# Altium PCB LM-003.PcbDoc
Units mm, origin at the board's own origin, x right, y up, seen from the top; angles counter-clockwise.
Board outline 65.02 x 194.14 mm, 6 copper layers (Top Layer, +5V, +3.3V, Mid-Layer 1, Mid-Layer 2, Bottom Layer), stack 1.23 mm thick; 61 components, 117 nets, 372 pads, 6 vias.
Unrouted connection lines stored in the file: 140.
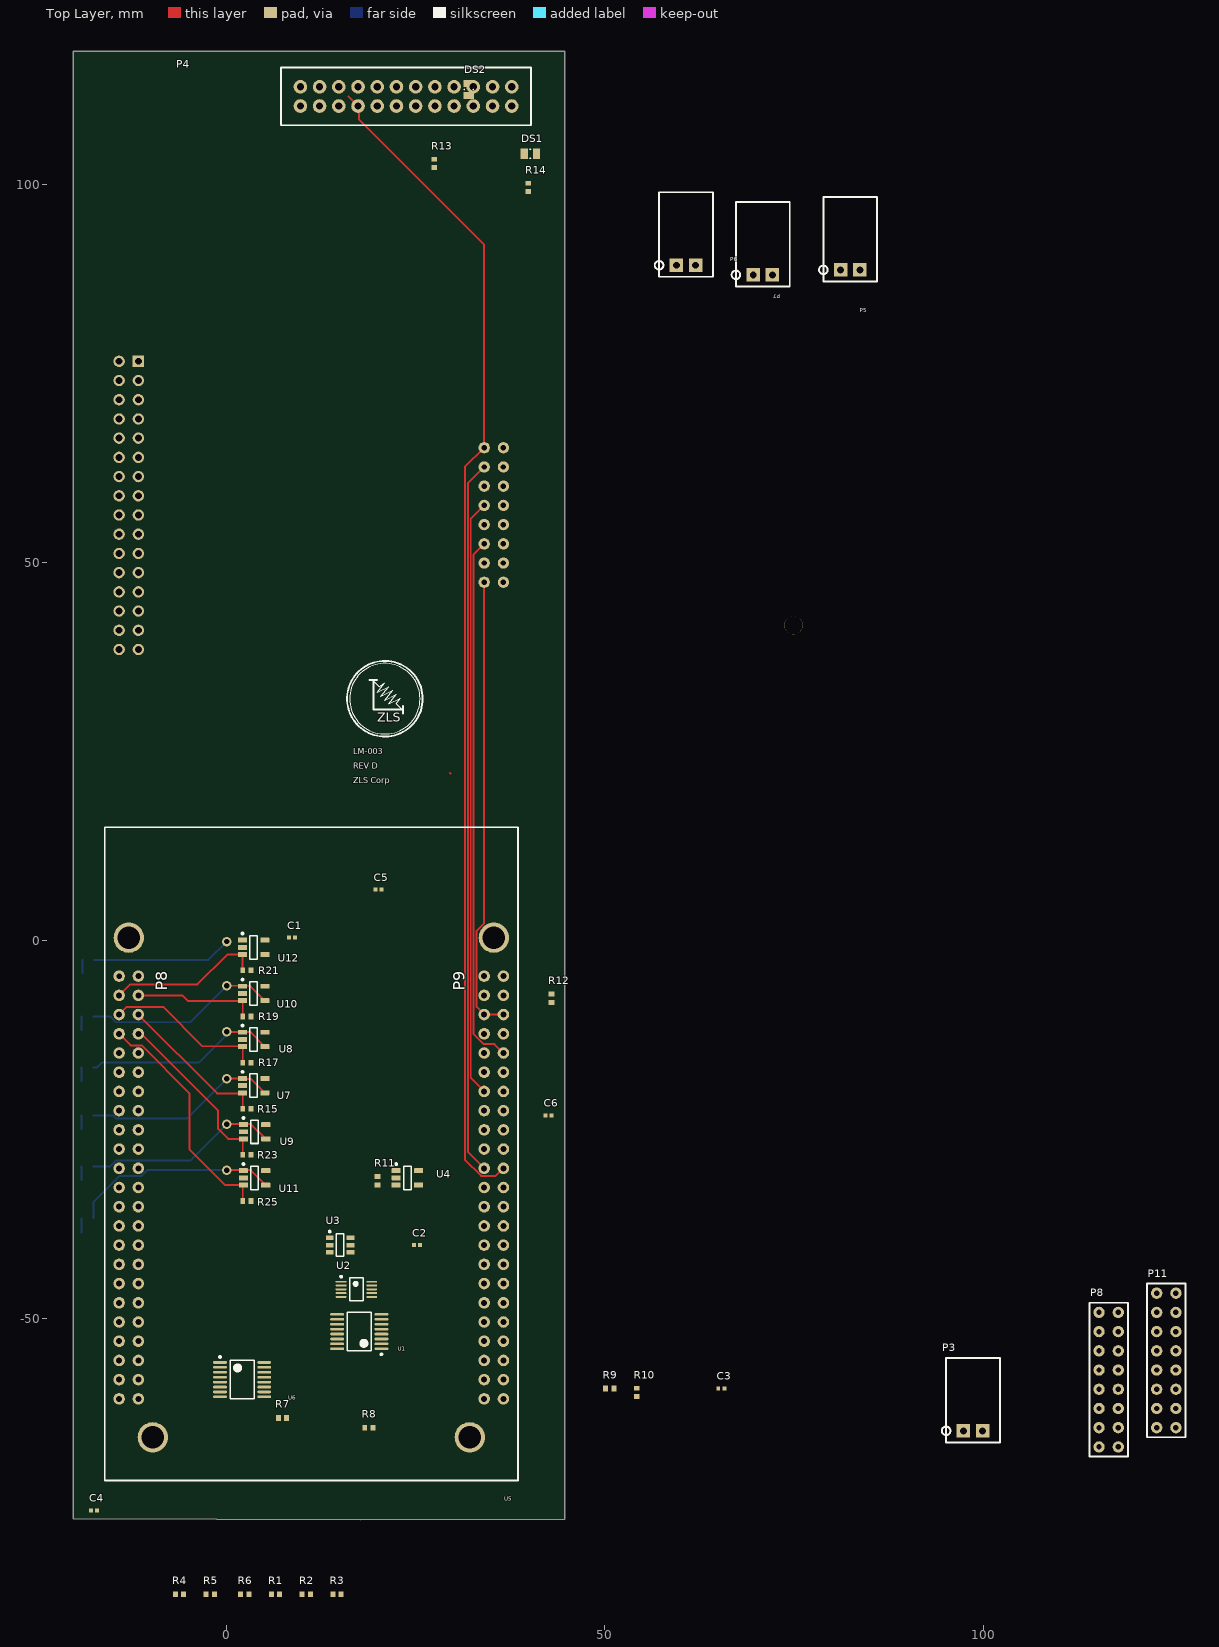
[diagram p0: Top Layer view]
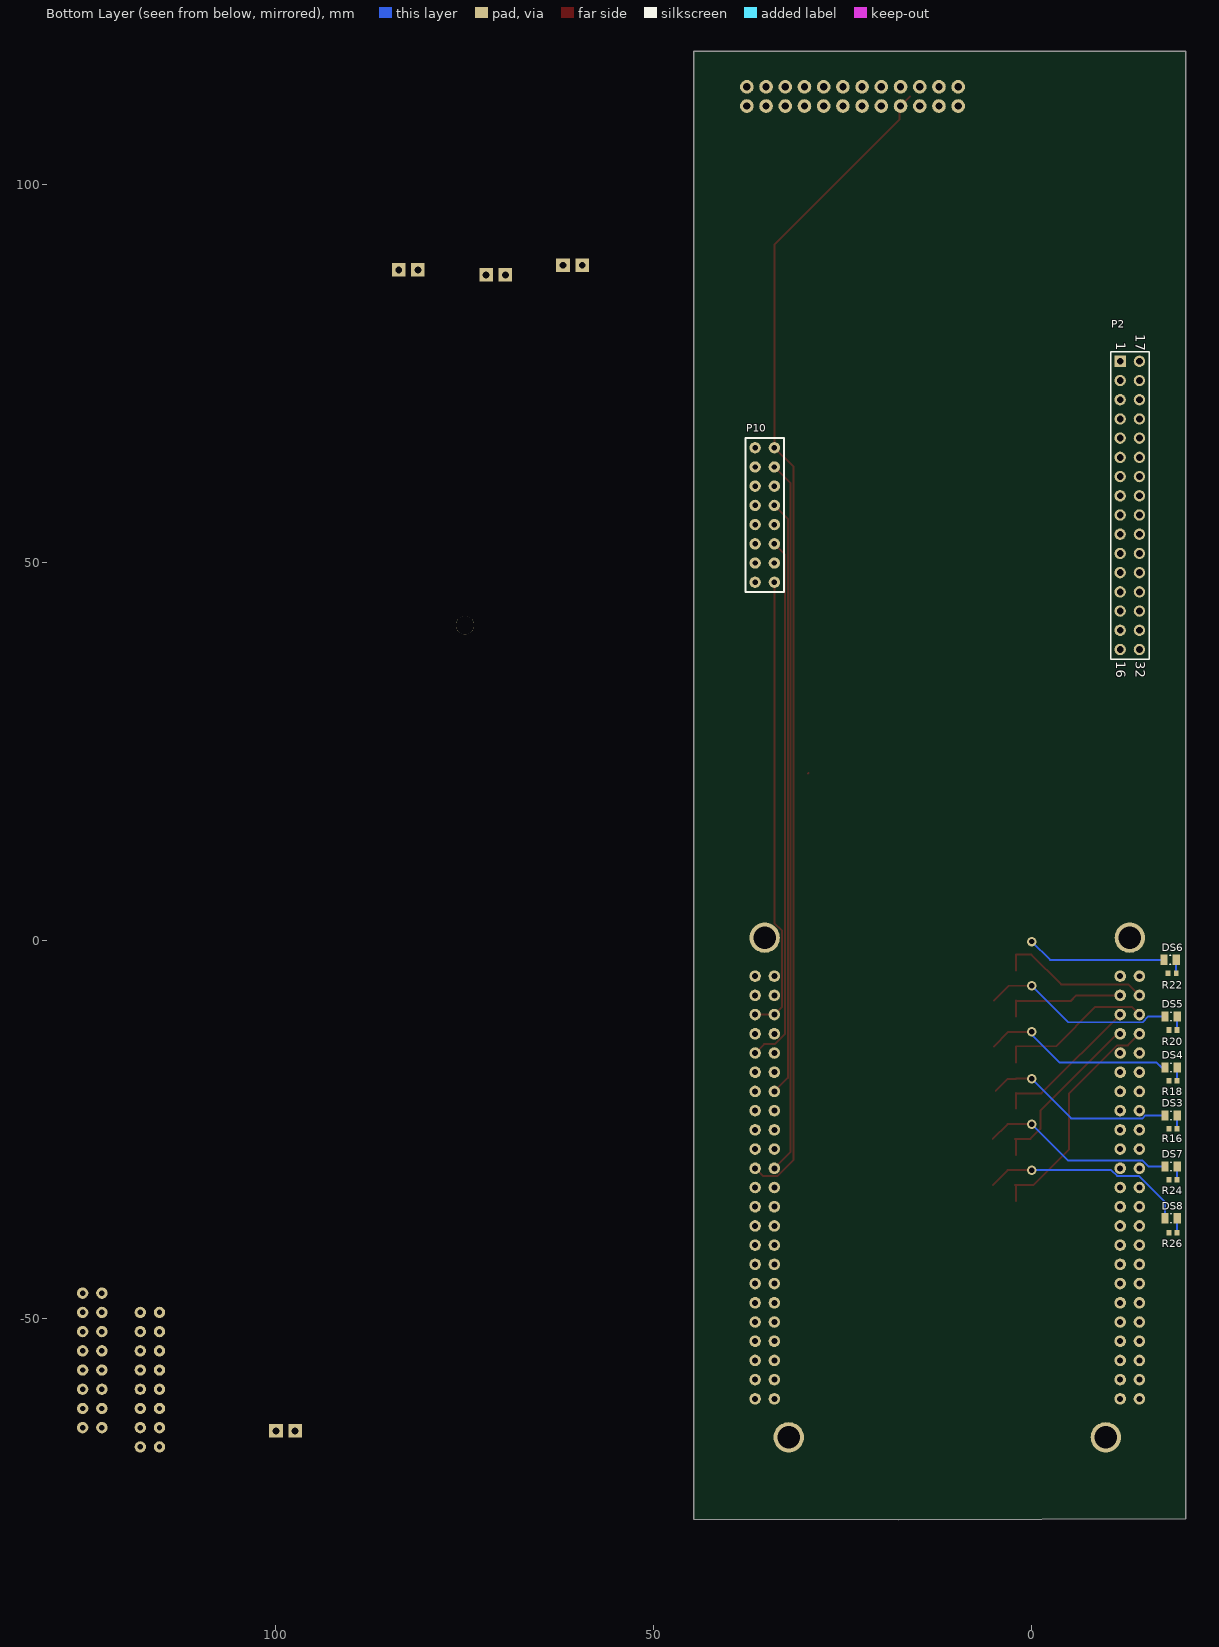
[diagram p1: Bottom Layer view, seen from below]
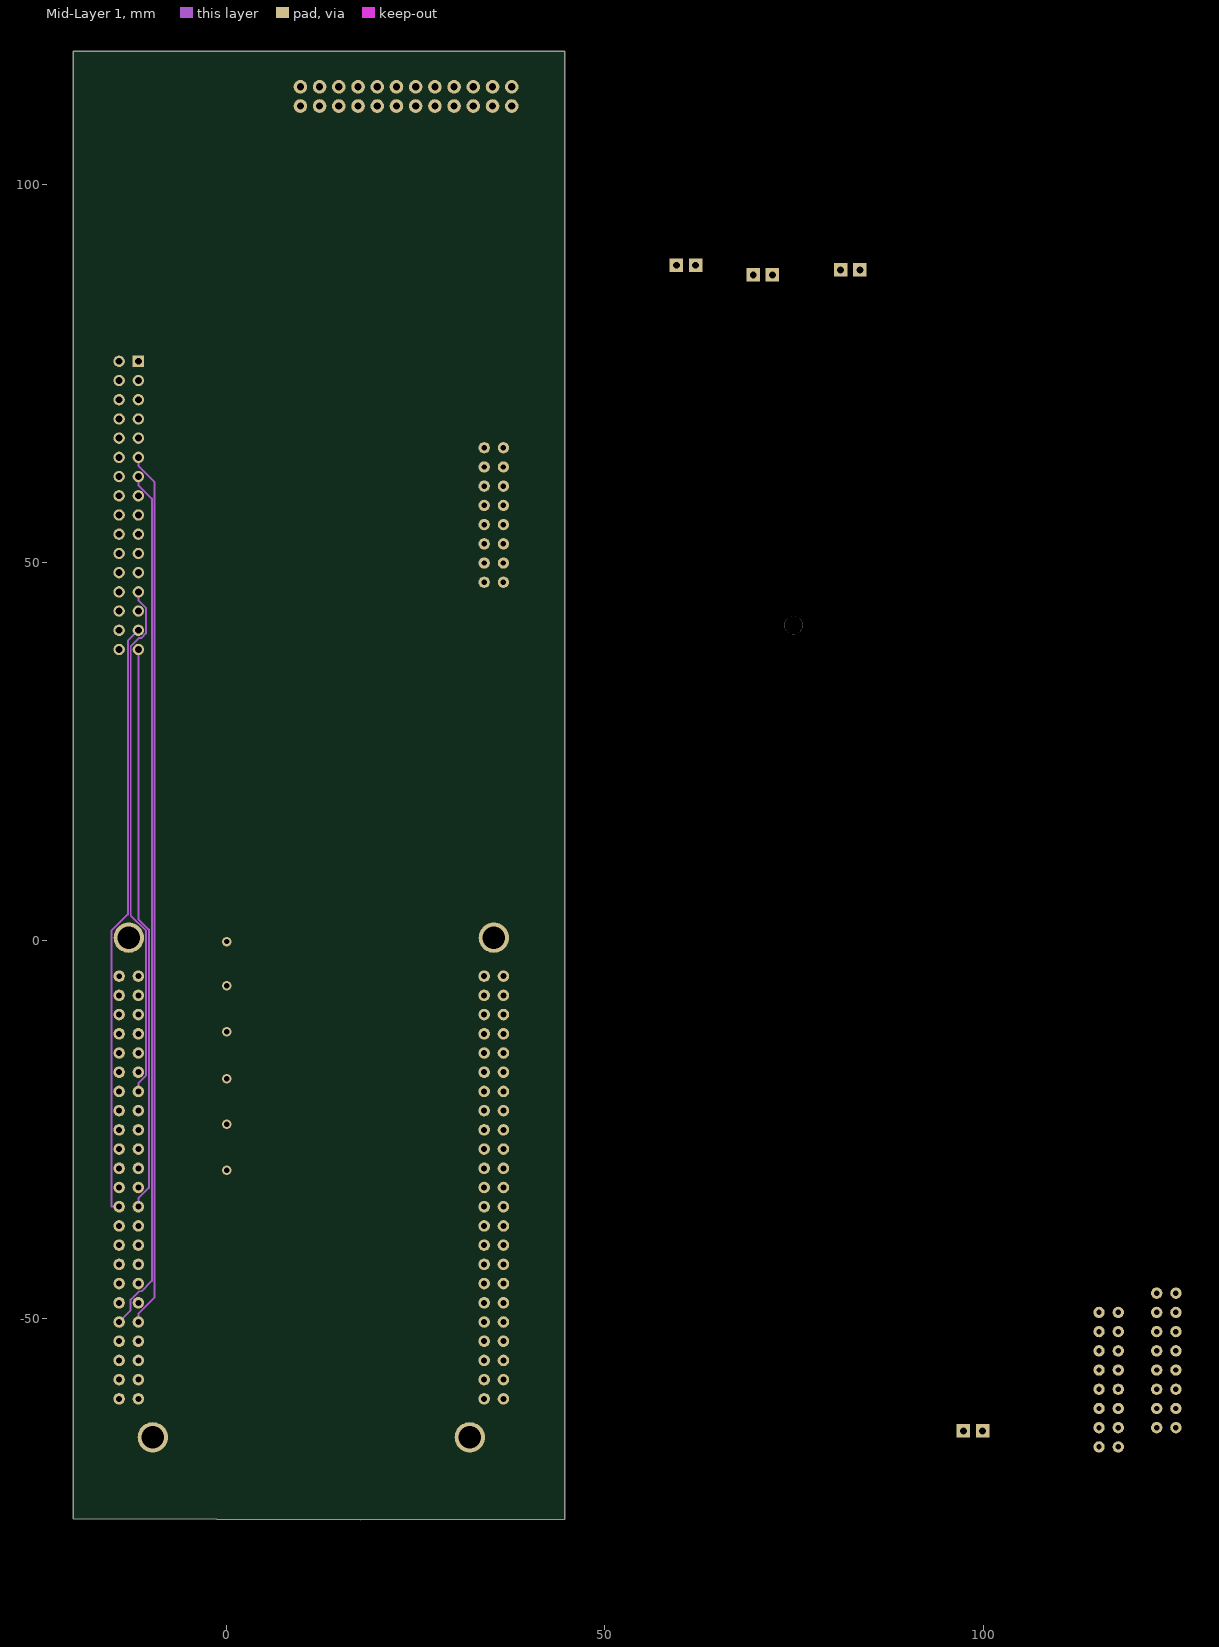
[diagram p2: Mid-Layer 1]
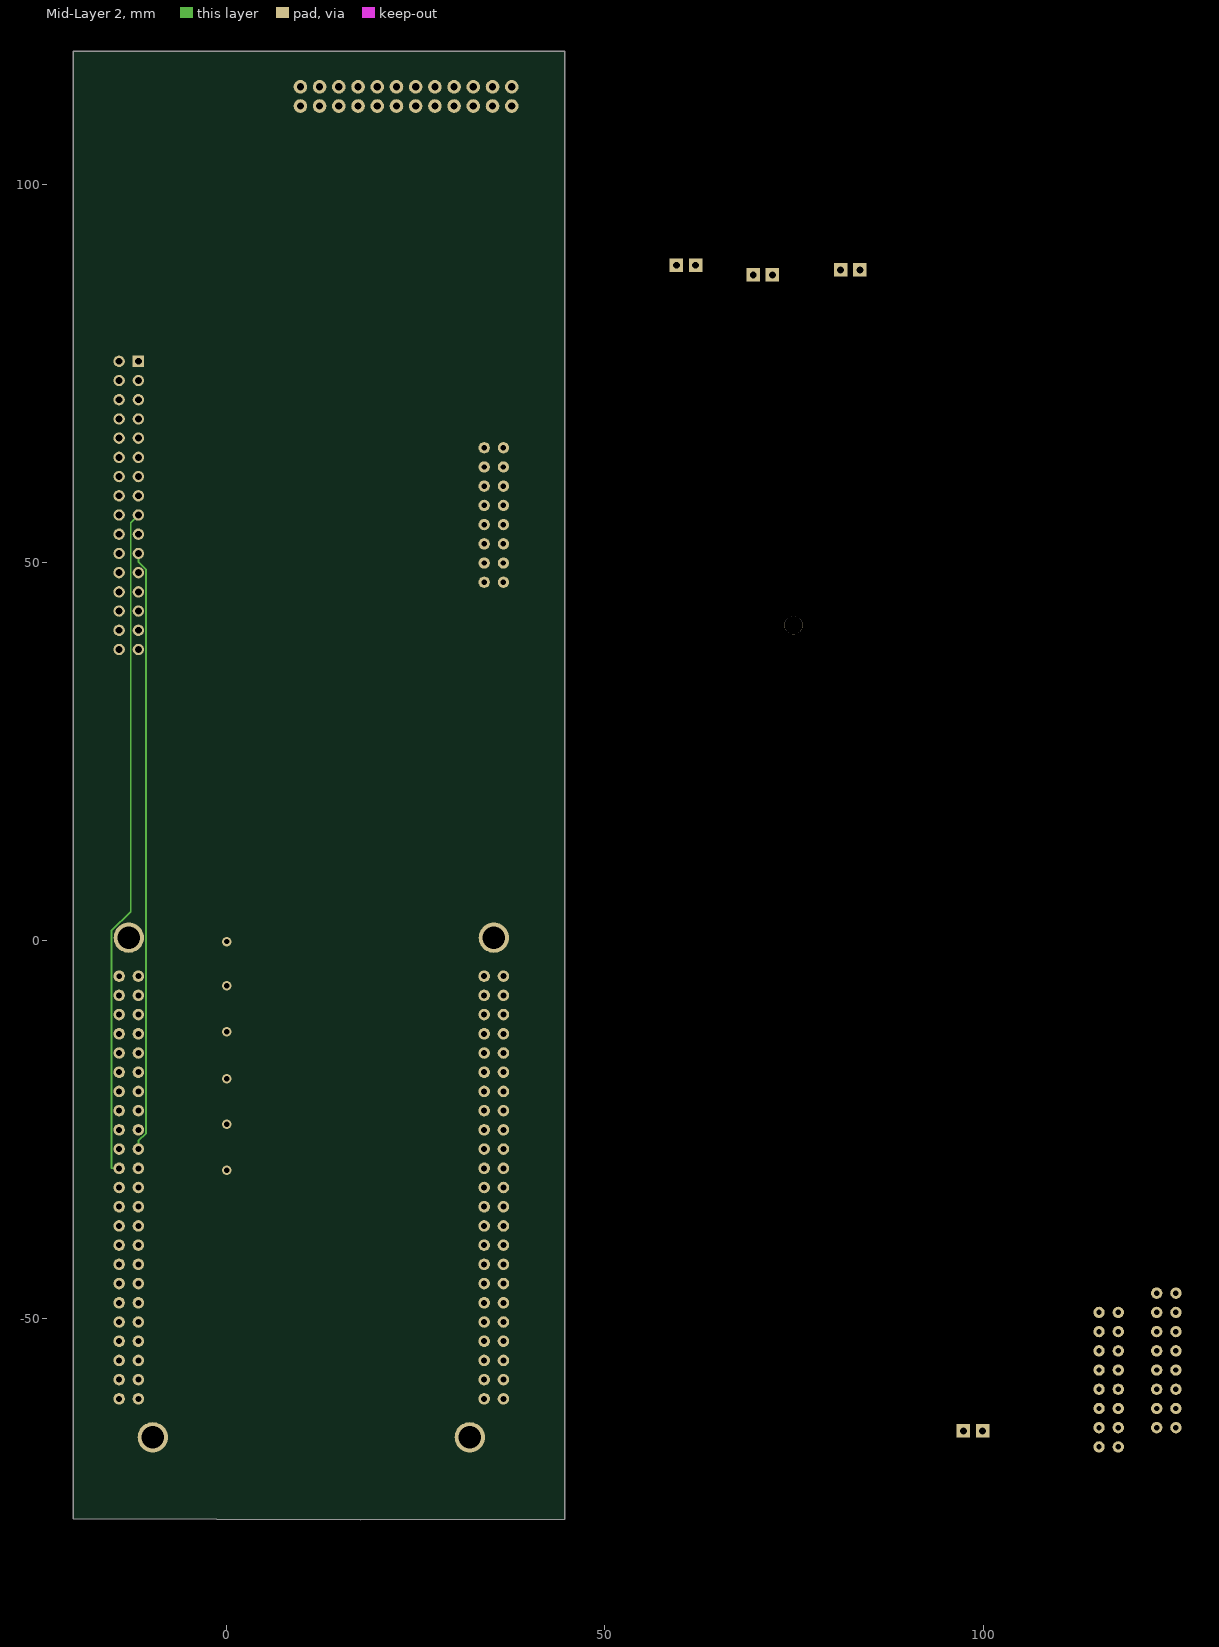
[diagram p3: Mid-Layer 2]

## Layer stack, top to bottom
Top Solder: solder mask 0.0102, Solder Resist, Dk 3.5
Top Layer: signal copper 0.0356
Dielectric 1: core 0.254, FR-4, Dk 4.2
+5V: signal copper 0.036
Dielectric 6: prepreg 0.127, Dk 4.2
+3.3V: signal copper 0.036
Dielectric 4: core 0.254, Dk 4.2
Mid-Layer 1: signal copper 0.0356
Dielectric2: prepreg 0.127, FR-4, Dk 4.2
Mid-Layer 2: signal copper 0.0356
Dielectric 5: core 0.254, Dk 4.2
Bottom Layer: signal copper 0.0356
Bottom Solder: solder mask 0.0102, Solder Resist, Dk 3.5

## Board outline
44.704,33.577 44.704,-76.52 17.68,-76.544 -20.32,-76.432 -20.32,117.597 44.704,117.597

## Design rules (kind name [scope] priority, off if disabled: settings)
Clearance [All] p1: gap=0.127 ignorepadtopadclearanceinfootprint=FALSE except(0: Arc-Hole Track-Hole SMDPad-Hole THPad-Hole Via-Hole Fill-Hole Poly-Hole Region-Hole Text-Hole)
ComponentClearance [All] p1: gap=0.229 collisioncheckmode=3 verticalgap=0.254 showdistances=FALSE
HoleSize [All] p1: absolutevalues=TRUE maxlimit=5 minlimit=0.127 maxpercent=80.000 minpercent=20.000
MinimumAnnularRing [All] p1: minimumring=0.254
MinimumSolderMaskSliver [All] p1: minsoldermaskwidth=0.051
PolygonConnect [All] p1: connectstyle=Relief reliefconductorwidth=0.254 reliefentries=4 polygonreliefangle="90 Angle" airgapwidth=0.254
RoutingVias [All] p1: holewidth=0.3 width=0.7 viastyle="Through Hole" minholewidth=0.1 minwidth=0.381 maxholewidth=0.711 maxwidth=1.27
SilkToSilkClearance [All] p1: silktosilkclearance=0.1
SilkToSolderMaskClearance [IsPad] p1: minsilkscreentomaskgap=0.064 clearancetoexposedcopper=TRUE
SolderMaskExpansion [All] p1: expansion=0.051
Width [All] p1: maxlimit=1 minlimit=0.127 preferedwidth=0.254
25 further rules are at their usual default settings.

## Classes and differential pairs
component class Power: C1 C2 C3 C4 C5 C6 DS1 DS2 R1 R2 R3 R4 R5 R6 R7 R8 R9 R10 R11 R12 R13 R14 U1 U2 U3 U4
component class Connectors: P2 P3 P5 P6 P7 P8 P10 P11 P?
component class heater_control: DS3 DS4 DS5 DS6 DS7 DS8 P4 R15 R16 R17 R18 R19 R20 R21 R22 R23 R24 R25 R26 U7 U8 U9 U10 U11 U12
component class "BBB Headers": U5 U6

## Components (designator, comment, footprint, x,y, rotation, side; value= is the part's Value field where it differs from the comment)
C1 "0.1uF" CAPC0402(1005)60_L 8.636,0.381 r0 top
C2 "0.1uF" CAPC0402(1005)60_L 25.146,-40.259 r0 top
C3 "0.1uF" CAPC0402(1005)60_L 65.377,-59.216 r0 top
C4 "0.1uF" CAPC0402(1005)60_L -17.526,-75.311 r0 top
C5 "0.1uF" CAPC0402(1005)60_L 20.066,6.731 r0 top
C6 "0.1uF" CAPC0402(1005)60_L 42.545,-23.114 r0 top
DS1 "Lite-On LTST-S220KGKT Green LED, 571 nm 2012 (0805) Side View, Rectangle Lens SMD package" 0805C_L 40.132,104.013 r0 top
DS2 "Lite-On LTST-S220KGKT Green LED, 571 nm 2012 (0805) Side View, Rectangle Lens SMD package" 0805C_L 32.004,112.522 r90 top
DS3 "Visible Name Value Type    False Description Lite-On LTST-S220KRKT Red LED, 631 nm 2012 (0805) Side View, Rectangle Lens SMD package STRING" 0805C_L -18.415,-23.114 r180 bottom
DS4 "Visible Name Value Type    False Description Lite-On LTST-S220KRKT Red LED, 631 nm 2012 (0805) Side View, Rectangle Lens SMD package STRING" 0805C_L -18.415,-16.764 r180 bottom
DS5 "Visible Name Value Type    False Description Lite-On LTST-S220KRKT Red LED, 631 nm 2012 (0805) Side View, Rectangle Lens SMD package STRING" 0805C_L -18.415,-10.033 r180 bottom
DS6 "Visible Name Value Type    False Description Lite-On LTST-S220KRKT Red LED, 631 nm 2012 (0805) Side View, Rectangle Lens SMD package STRING" 0805C_L -18.288,-2.54 r180 bottom
DS7 "Visible Name Value Type    False Description Lite-On LTST-S220KRKT Red LED, 631 nm 2012 (0805) Side View, Rectangle Lens SMD package STRING" 0805C_L -18.415,-29.845 r180 bottom
DS8 "Visible Name Value Type    False Description Lite-On LTST-S220KRKT Red LED, 631 nm 2012 (0805) Side View, Rectangle Lens SMD package STRING" 0805C_L -18.415,-36.703 r180 bottom
P2 "Header 16X2A" HDR2X16_CEN -11.684,76.581 r270 bottom
P3 "IPL1-102-01-F-S-RA-K" IPL1-102-01-F-S-RA-K 97.381,-64.804 r0 top
P4 "IPL1-112-01-F-S-K" IPL1-112-01-F-S-K 23.704,111.597 r180 top
P5 "IPL1-102-01-F-S-RA-K" IPL1-102-01-F-S-RA-K 81.151,88.671 r0 top
P6 "IPL1-102-01-F-S-RA-K" IPL1-102-01-F-S-RA-K 59.436,89.281 r0 top
P7 "IPL1-102-01-F-S-RA-K" IPL1-102-01-F-S-RA-K 69.596,88.011 r0 top
P8 "SLW-108-01-G-D" SLW-108-01-G-D 117.856,-66.929 r90 top
P10 "SLW-108-01-G-D" SLW-108-01-G-D 36.576,65.151 r270 bottom
P11 "SLW-108-01-G-D" SLW-108-01-G-D 125.476,-64.389 r90 top
R1 "10k" RESC0402(1005)_M 6.449,-86.394 r0 top
R2 "100k" RESC0402(1005)_M 10.513,-86.394 r0 top
R3 "100k" RESC0402(1005)_M 14.577,-86.394 r0 top
R4 "1.5k" RESC0402(1005)_M -6.251,-86.394 r0 top
R5 "10k" RESC0402(1005)_M -2.187,-86.394 r0 top
R6 "10k" RESC0402(1005)_M 2.385,-86.394 r0 top
R7 "20k" RESC0402(1005)_M 7.366,-63.119 r0 top
R8 "20k" RESC0402(1005)_M 18.796,-64.389 r0 top
R9 "10k" RESC0402(1005)_M 50.645,-59.216 r0 top
R10 "10k" RESC0402(1005)_M 54.201,-59.724 r90 top
R11 "10k" RESC0402(1005)_M 19.939,-31.75 r90 top
R12 "10k" RESC0402(1005)_M 42.926,-7.62 r90 top
R13 "4.99k" RESC0402(1005)_M 27.432,102.743 r90 top
R14 "10k" RESC0402(1005)_M 39.878,99.568 r90 top
R15 "20k" RESC0402(1005)_M 2.667,-22.225 r0 top
R16 "4.99k" RESC0402(1005)_M -18.669,-24.892 r0 bottom
R17 "20k" RESC0402(1005)_M 2.667,-16.129 r0 top
R18 "4.99k" RESC0402(1005)_M -18.669,-18.542 r0 bottom
R19 "20k" RESC0402(1005)_M 2.667,-10.033 r0 top
R20 "4.99k" RESC0402(1005)_M -18.669,-11.811 r0 bottom
R21 "20k" RESC0402(1005)_M 2.667,-3.937 r0 top
R22 "4.99k" RESC0402(1005)_M -18.542,-4.318 r0 bottom
R23 "20k" RESC0402(1005)_M 2.667,-28.321 r0 top
R24 "4.99k" RESC0402(1005)_M -18.669,-31.623 r0 bottom
R25 "20k" RESC0402(1005)_M 2.667,-34.417 r0 top
R26 "4.99k" RESC0402(1005)_M -18.669,-38.608 r0 bottom
U1 "ADG1608BRUZ" ADI-RU-16_M 17.526,-51.689 r180 top
U2 "MAX11100EUB+T" U10+2_L 17.145,-46.101 r0 top
U3 "MAX6070AAUT41+T" SOT95P280X445-6N 14.986,-40.259 r0 top
U4 "OPA188AIDBVR" DBV0005A_M 23.876,-31.369 r0 top
U5 "BBB" "BEAGLEBONE BLACK" 11.176,-32.639 r0 top
U6 "ADG1608BRUZ" ADI-RU-16_M 2.032,-58.039 r0 top
U7 "OPA188AIDBVR" DBV0005A_M 3.556,-19.177 r0 top
U8 "OPA188AIDBVR" DBV0005A_M 3.556,-13.064 r0 top
U9 "OPA188AIDBVR" DBV0005A_M 3.683,-25.273 r0 top
U10 "OPA188AIDBVR" DBV0005A_M 3.556,-6.985 r0 top
U11 "OPA188AIDBVR" DBV0005A_M 3.683,-31.369 r0 top
U12 "OPA188AIDBVR" DBV0005A_M 3.556,-0.889 r0 top

## Footprints (in the part's own frame and the unit in brackets; to place one, negate y for a bottom-side part, rotate by r counter-clockwise, add the part's x,y. Pads: shape width x height; smd on the part's side, far side on the other; paste and mask are expansions set on the pad)
0805C_L [mm]
  rect 0.95x1.35 smd: 1(-0.8,0) 2(0.8,0)
  silkscreen extent -0.05,-0.57 0.05,0.58, body extent -1.1,-0.72 1.1,0.72, height 0.75
ADI-RU-16_M [mm] "SOP, 16-Leads, Body 5x4.4mm, Pitch 0.65mm, IPC Low Density"
  oval 1.85x0.35 smd: 1(-2.925,2.275) 2(-2.925,1.625) 3(-2.925,0.975) 4(-2.925,0.325) 5(-2.925,-0.325) 6(-2.925,-0.975) 7(-2.925,-1.625) 8(-2.925,-2.275) 9(2.925,-2.275) 10(2.925,-1.625) 11(2.925,-0.975) 12(2.925,-0.325) 13(2.925,0.325) 14(2.925,0.975) 15(2.925,1.625) 16(2.925,2.275)
  silkscreen extent -3.05,-2.55 1.6,3.12, body extent -2.25,-2.55 2.25,2.55, height 1.2
"BEAGLEBONE BLACK" [mil]
  round 60 hole 31.5: 8-1(-900,1100) 8-3(-900,1000) 8-4(-1000,1000) 8-5(-900,900) 8-6(-1000,900) 8-7(-900,800) 8-8(-1000,800) 8-9(-900,700) 8-10(-1000,700) 8-11(-900,600) 8-12(-1000,600) 8-13(-900,500) 8-14(-1000,500) 8-15(-900,400) 8-16(-1000,400) 8-17(-900,300) 8-18(-1000,300) 8-19(-900,200) 8-20(-1000,200) 8-21(-900,100) 8-22(-1000,100) 8-23(-900,0) 8-24(-1000,0) 8-25(-900,-100) 8-26(-1000,-100) 8-27(-900,-200) 8-28(-1000,-200) 8-29(-900,-300) 8-30(-1000,-300) 8-31(-900,-400) 8-32(-1000,-400) 8-33(-900,-500) 8-34(-1000,-500) 8-35(-900,-600) 8-36(-1000,-600) 8-37(-900,-700) 8-38(-1000,-700) 8-39(-900,-800) 8-40(-1000,-800) 8-41(-900,-900) 8-42(-1000,-900) 8-43(-900,-1000) 8-44(-1000,-1000) 8-45(-900,-1100) 8-46(-1000,-1100) 9-1(1000,1100) 9-2(900,1100) 9-3(1000,1000) 9-4(900,1000) 9-5(1000,900) 9-6(900,900) 9-7(1000,800) 9-8(900,800) 9-9(1000,700) 9-10(900,700) 9-11(1000,600) 9-12(900,600) 9-13(1000,500) 9-14(900,500) 9-15(1000,400) 9-16(900,400) 9-17(1000,300) 9-18(900,300) 9-19(1000,200) 9-20(900,200) 9-21(1000,100) 9-22(900,100) 9-23(1000,0) 9-24(900,0) 9-25(1000,-100) 9-26(900,-100) 9-27(1000,-200) 9-28(900,-200) 9-29(1000,-300) 9-30(900,-300) 9-31(1000,-400) 9-32(900,-400) 9-33(1000,-500) 9-34(900,-500) 9-35(1000,-600) 9-36(900,-600) 9-37(1000,-700) 9-38(900,-700) 9-39(1000,-800) 9-40(900,-800) 9-41(1000,-900) 9-42(900,-900) 9-43(1000,-1000) 9-44(900,-1000) 9-45(1000,-1100) 9-46(900,-1100)
  round 60 hole 30 paste+0: 8-2(-1000,1100)
  round 157.48 hole 118.11 paste+0: ""(-950,1300)
  round 157.48 hole 118.11: ""(-825,-1300) ""(825,-1300) ""(950,1300)
  silkscreen extent -1075,-1525 1075,1875, body extent -1078,-1586 1074,1975, height 493
CAPC0402(1005)60_L [mm] "Chip Capacitor, Body 1.0x0.5mm, Height 0.6mm, IPC High Density"
  rect 0.52x0.52 smd: 1(-0.4,0) 2(0.4,0)
  body extent -0.55,-0.3 0.55,0.3, height 0.6
DBV0005A_M [mm] "SOT23, 5-Leads, Body 3.05x1.75mm, Pitch 0.95mm, IPC Low Density"
  rrect15% 1.2x0.65 smd: 1(-1.475,0.95) 2(-1.475,0) 3(-1.475,-0.95) 4(1.475,-0.95) 5(1.475,0.95)
  silkscreen extent -1.6,-1.55 0.5,1.95, body extent -1.42,-1.46 1.42,1.46, height 1.08
HDR2X16_CEN [mm] "Connector; Header; 16x2 Position"
  rect 1.5x1.5 hole 0.9: 1(0,0)
  round 1.5 hole 0.9: 2(2.54,0) 3(5.08,0) 4(7.62,0) 5(10.16,0) 6(12.7,0) 7(15.24,0) 8(17.78,0) 9(20.32,0) 10(22.86,0) 11(25.4,0) 12(27.94,0) 13(30.48,0) 14(33.02,0) 15(35.56,0) 16(38.1,0) 17(0,2.54) 18(2.54,2.54) 19(5.08,2.54) 20(7.62,2.54) 21(10.16,2.54) 22(12.7,2.54) 23(15.24,2.54) 24(17.78,2.54) 25(20.32,2.54) 26(22.86,2.54) 27(25.4,2.54) 28(27.94,2.54) 29(30.48,2.54) 30(33.02,2.54) 31(35.56,2.54) 32(38.1,2.54)
  silkscreen extent -1.27,-1.27 39.37,3.81
IPL1-102-01-F-S-RA-K [mm] ".100 TERMINAL ASSEMBLY"
  rect 1.8x1.8 hole 0.91: 1(0,0) 2(2.54,0)
  silkscreen extent -2.85,-1.52 4.83,9.65, body extent -2.03,-0.25 4.57,9.4, height 6.56
IPL1-112-01-F-S-K [mm]
  round 1.8 hole 0.95: 1(-13.97,-1.27) 2(-13.97,1.27) 3(-11.43,-1.27) 4(-11.43,1.27) 5(-8.89,-1.27) 6(-8.89,1.27) 7(-6.35,-1.27) 8(-6.35,1.27) 9(-3.81,-1.27) 10(-3.81,1.27) 11(-1.27,-1.27) 12(-1.27,1.27) 13(1.27,-1.27) 14(1.27,1.27) 15(3.81,-1.27) 16(3.81,1.27) 17(6.35,-1.27) 18(6.35,1.27) 19(8.89,-1.27) 20(8.89,1.27) 21(11.43,-1.27) 22(11.43,1.27) 23(13.97,-1.27) 24(13.97,1.27)
  silkscreen extent -16.51,-3.81 16.51,3.81, body extent -15.95,-4.32 16.05,3.56, height 8.13
RESC0402(1005)_M [mm] "Chip Resistor, Body 1.0x0.5mm, IPC Low Density"
  rect 0.65x0.75 smd: 1(-0.55,0) 2(0.55,0)
  body extent -0.52,-0.28 0.53,0.28, height 0.4
SLW-108-01-G-D [mm]
  round 1.5 hole 0.71: 1(0,0) 2(0,2.54) 3(2.54,0) 4(2.54,2.54) 5(5.08,0) 6(5.08,2.54) 7(7.62,0) 8(7.62,2.54) 9(10.16,0) 10(10.16,2.54) 11(12.7,0) 12(12.7,2.54) 13(15.24,0) 14(15.24,2.54) 15(17.78,0) 16(17.78,2.54)
  silkscreen extent -1.27,-1.27 19.05,3.81, body extent -1.27,-1.27 19.05,3.68, height 4.57
SOT95P280X445-6N [mm] "SOT23, 6-Leads, Body 2.90x2.80mm, Pitch 0.95mm, IPC Medium Density"
  rect 1x0.6 smd: 1(-1.375,0.95) 2(-1.375,0) 3(-1.375,-0.95) 4(1.375,-0.95) 5(1.375,0) 6(1.375,0.95)
  silkscreen extent -1.5,-1.5 0.5,1.92, body extent -1.5,-1.5 1.5,1.5, height 4.45
U10+2_L [mm] "TSSOP, 10-Leads, Body 3x3mm, Pitch 0.5mm, IPC High Density"
  oval 1.45x0.25 smd: 1(-2.025,1) 2(-2.025,0.5) 3(-2.025,0) 4(-2.025,-0.5) 5(-2.025,-1) 6(2.025,-1) 7(2.025,-0.5) 8(2.025,0) 9(2.025,0.5) 10(2.025,1)
  silkscreen extent -2.15,-1.52 0.9,1.8, body extent -1.55,-1.55 1.55,1.55, height 1.1

## Part data
C1 C2 C3 C4 C5 C6: library part CMP-1034-00252-1, "CAP CER 0.1UF 10V X7R 0402", Manufacturer="Murata Electronics North America", Manufacturer Part Number=GRM155R71A104KA01D, Operating Temperature="-55°C ~ 125°C", Package / Case="0402 (1005 Metric)", Ratings=-, Supplier Part Number 1=490-6321-1-ND, Temperature Coefficient=X7R, Tolerance=±10%, Voltage - Rated=10V, Applications="General Purpose", Category=Capacitors, ComponentLink1Description=http://www.murata.com/~/media/webrenewal/support/library/catalog/products/capacitor/mlcc/c02e.ashx?la=en-us, ComponentLink1URL=http://www.murata.com/~/media/webrenewal/support/library/catalog/products/capacitor/mlcc/c02e.ashx?la=en-us, Features=-, Height - Seated (Max)=-, Lead Spacing=-, Mounting Type="Surface Mount, MLCC", Packaging="Cut Tape (CT)", Part Status=Active, Pricing 1="1=0.1, 10=0.014, 100=0.0063, 500=0.00446, 1000=0.00351, 2500=0.00319, 5000=0.00293 (USD)", RoHS="RoHS Compliant", Size / Dimension="0.039\" L x 0.020\" W (1.00mm x 0.50mm)", Stock 1=2920395, Supplier 1=Digi-Key, Thickness (Max)="0.022\" (0.55mm)"
DS1 DS2: library part "LED A/K", Case/Package=0805, Case Code (Metric)=2012, Colour=Green, Forward Current=20mA, Forward Voltage=2V, Lens Colour=Colorless, Manufacturer="Vishay / Lite-On", Manufacturer Part Number=LTST-S220KGKT, Max Operating Temperature=85°C, Min Operating Temperature=-55°C, Package Quantity=4000, Power Dissipation=75W, Power Rating=75mW, Supplier Part Number 1=160-1468-1-ND, Case Code (Imperial)=0805, ComponentLink1Description=https://datasheet.ciiva.com/11775/0900766b80dc0b70-11775441.pdf, ComponentLink1URL=https://datasheet.ciiva.com/11775/0900766b80dc0b70-11775441.pdf, ComponentLink2Description=https://datasheet.ciiva.com/2110/s-110-ltst-s220kgkt-2110069.pdf, ComponentLink2URL=https://datasheet.ciiva.com/2110/s-110-ltst-s220kgkt-2110069.pdf, ComponentLink3Description=https://datasheet.ciiva.com/2110/s-110-ltst-s220kgkt-2110070.pdf, ComponentLink3URL=https://datasheet.ciiva.com/2110/s-110-ltst-s220kgkt-2110070.pdf, ComponentLink4Description=https://datasheet.ciiva.com/12400/100-ltst-s220kgkt-59602-12400886.pdf, ComponentLink4URL=https://datasheet.ciiva.com/12400/100-ltst-s220kgkt-59602-12400886.pdf, ComponentLink5Description=https://datasheet.ciiva.com/2110/s-110-ltst-s220kgkt-2110071.pdf, ComponentLink5URL=https://datasheet.ciiva.com/2110/s-110-ltst-s220kgkt-2110071.pdf, ComponentLink6Description=https://datasheet.ciiva.com/16379/ltst-s220kgkt-16379082.pdf, ComponentLink6URL=https://datasheet.ciiva.com/16379/ltst-s220kgkt-16379082.pdf, Depth=0.6mm, Dominant Wavelength=568nm, Height=0.6mm, Illumination Colour=Green, Lead Free="Lead Free", Length=2.1mm, Lens Style=Diffused,Colorless, Lens Transparency=Clear, Luminous Intensity=35mcd, Mount="Surface Mount", Number of Elements=1, Number of LEDs=1, Number of Pins=2, Packaging="Tape and Reel", Pricing 1="1=0.29, 10=0.212, 25=0.1564, 100=0.1117, 250=0.0759, 500=0.067, 1000=0.0525 (USD)", Radiation Hardening=No, Stock 1=74800, Supplier 1=Digi-Key, Test Current=20mA, Viewing Angle=130°, Wavelength=574nm, Width=1mm
  DS2: ComponentLink7Description=http://www.farnell.com/cad/2124774.pdf, ComponentLink7URL=http://www.farnell.com/cad/2124774.pdf, ComponentLink8Description=http://www.farnell.com/datasheets/693084.pdf, ComponentLink8URL=http://www.farnell.com/datasheets/693084.pdf, Pricing 2="1=0.325, 10=0.317, 100=0.23, 200=0.228, 400=0.182, 900=0.147, 3000=0.114, 9000=0.107 (GBP)", RoHS=YES, Stock 2=2271, Supplier 2=Farnell, Supplier Part Number 2=2062310
DS3 DS4 DS5 DS6 DS7 DS8: library part "LED A/K", Case/Package=0805, Case Code (Metric)=2012, Colour=Red, Forward Current=20mA, Forward Voltage=2V, Lens Colour=Colorless, Manufacturer="Vishay / Lite-On", Manufacturer Part Number=LTST-S220KRKT, Max Operating Temperature=85°C, Min Operating Temperature=-55°C, Package Quantity=4000, Power Dissipation=75mW, Supplier Part Number 1=160-1469-1-ND, Case Code (Imperial)=0805, ComponentLink1Description=https://datasheet.ciiva.com/2110/s-110-ltst-s220krkt-2110132.pdf, ComponentLink1URL=https://datasheet.ciiva.com/2110/s-110-ltst-s220krkt-2110132.pdf, ComponentLink2Description=https://datasheet.ciiva.com/2110/s-110-ltst-s220krkt-2110133.pdf, ComponentLink2URL=https://datasheet.ciiva.com/2110/s-110-ltst-s220krkt-2110133.pdf, ComponentLink3Description=https://datasheet.ciiva.com/2110/s-110-ltst-s220krkt-2110134.pdf, ComponentLink3URL=https://datasheet.ciiva.com/2110/s-110-ltst-s220krkt-2110134.pdf, ComponentLink4Description=https://datasheet.ciiva.com/12403/lite-on-ltst-s220krkt-187389-12403798.pdf, ComponentLink4URL=https://datasheet.ciiva.com/12403/lite-on-ltst-s220krkt-187389-12403798.pdf, ComponentLink5Description=https://datasheet.ciiva.com/16345/lite-onltst-s220krkt-16345511.pdf, ComponentLink5URL=https://datasheet.ciiva.com/16345/lite-onltst-s220krkt-16345511.pdf, ComponentLink6Description=https://datasheet.ciiva.com/15118/getdatasheetpartid-225752-15118120.pdf, ComponentLink6URL=https://datasheet.ciiva.com/15118/getdatasheetpartid-225752-15118120.pdf, ComponentLink7Description=https://datasheet.ciiva.com/14633/0900766b80dc0b76-14633737.pdf, ComponentLink7URL=https://datasheet.ciiva.com/14633/0900766b80dc0b76-14633737.pdf, ComponentLink8Description=https://datasheet.ciiva.com/11775/0900766b80dc0b76-11775439.pdf, ComponentLink8URL=https://datasheet.ciiva.com/11775/0900766b80dc0b76-11775439.pdf, Depth=0.6mm, Dominant Wavelength=631nm, Height=0.6mm, Illumination Colour=Red, Lead Free="Lead Free", Length=2.1mm, Lens Style=Diffused,Colorless, Lens Transparency=Clear, Luminous Intensity=54mcd, Mount="Surface Mount", Number of Elements=1, Number of LEDs=1, Number of Pins=2, Packaging="Tape and Reel", Power Rating=75mW, Pricing 1="1=0.31, 10=0.225, 25=0.1656, 100=0.1183, 250=0.0804, 500=0.071, 1000=0.0556 (USD)", Radiation Hardening=No, Stock 1=108191, Supplier 1=Digi-Key, Test Current=20mA, Viewing Angle=130°, Wavelength=639nm, Width=1mm
P2: "Header, 16-Pin, Dual row", LatestRevisionDate=17-Jul-2002, LatestRevisionNote="Re-released for DXP Platform.", Publisher="Altium Limited"
P4: "IPL1-112-01-F-D-K", Manufacturer=Samtec, Supplier Part Number 1=08W3504, ComponentLink1Description=https://datasheet.ciiva.com/9444/ipl1-9444389.pdf, ComponentLink1URL=https://datasheet.ciiva.com/9444/ipl1-9444389.pdf, Gender=Male, Manufacturer Part Number=IPL1-112-01-F-S-K, Mount="Through Hole", Number of Contacts=12, Orientation=Straight, Packaging=Bulk, Pitch=2.54mm, Radiation Hardening=No, Stock 2=0, Supplier 1=Newark, Supplier 2=Avnet, Supplier Part Number 2=IPL1-112-01-F-S-K, Termination=Solder
R1 R2 R3 R4 R5 R6 R7 R8 R9 R10 R11 R12 R13 R14 R15 R16 R17 R18 R19 R20 R21 R22 R23 R24 R25 R26: library part CMP-1011-00651-1
U1 U6: library part CMP-0793-00136-1, "4.5 Ohm Ron, 8-Channel +/-5 V,+12 V, +5 V and +3.3 V Multiplexer, 16-pin SOP (RU-16), Tube", Manufacturer="Analog Devices", Bandwidth (Hz)="40M, 40M, 37M, 34M", Code_JEDEC=MO-153AB, ComponentLink1Description="Manufacturer URL", ComponentLink1URL=http://www.analog.com/en/index.html, ComponentLink2Description=Datasheet, ComponentLink2URL=http://www.analog.com/static/imported-files/data_sheets/ADG1608_1609.pdf, ComponentLink3Description="Package Specification", ComponentLink3URL=http:/www.analog.com/static/imported-files/packages/36244347913743854010197452789RU16.pdf, DatasheetVersion="Rev. 0", Max Analog Signal Range="0 to Vdd", Mounting Technology="Surface Mount", PackageDescription="16-Pin Thin Shrink Small Outline Package, Body 5 x 4.4 mm, Pitch 0.65 mm", PackageReference=RU-16, PackageVersion=Nov-02, Packing=Tube, PartNumber=ADG1608BRUZ, Ron (ohms)=4.4, t transition (s)=150n
U2: library part CMP-0249-00017-1, "16-Bit, +5V, 200ksps ADC with 10uA Shutdown, 10-Pin uMAX, -40°C to +85°C, Pb-Free, Tape and Reel", Code_JEDEC=MO-187-BA, ComponentLink1Description="Manufacturer URL", ComponentLink1URL=http://www.maxim-ic.com, ComponentLink2Description=Datasheet, ComponentLink2URL=http://datasheets.maxim-ic.com/en/ds/MAX11100.pdf, ComponentLink3Description="Package Specification", ComponentLink3URL=http://pdfserv.maxim-ic.com/package_dwgs/21-0061.PDF, DatasheetVersion="Rev 1, Jan-2012", PackageDescription="10-Pin Micro-MAX Thin Shrink Small Outline (uSOP), 3 x 3 x 0.85 mm Body, 0.5 mm Pitch, Pb-Free", PackageReference=U10+2, PackageVersion="revL, 2008"
U3: "IC VREF SERIES 4.096V SOT23", Current - Supply=350µA, Manufacturer="Maxim Integrated", Operating Temperature="-40°C ~ 125°C (TA)", Package / Case=SOT-23-6, Supplier Part Number 1=MAX6070AAUT41+TCT-ND, Temperature Coefficient=6ppm/°C, Tolerance=±0.04%, Voltage - Input="4.3 V ~ 5.5 V", Voltage - Output (Min/Fixed)=4.096V, Category="Integrated Circuits (ICs)", ComponentLink1Description=https://datasheets.maximintegrated.com/en/ds/MAX6070-MAX6071.pdf, ComponentLink1URL=https://datasheets.maximintegrated.com/en/ds/MAX6070-MAX6071.pdf, Manufacturer Part Number=MAX6070AAUT41+T, Mounting Type="Surface Mount", Noise - 0.1Hz to 10Hz=9.6µVp-p, Noise - 10Hz to 10kHz=9µVrms, Output Type=Fixed, Packaging="Cut Tape (CT)", Part Status=Active, Pricing 1="1=3.41, 10=3.213, 25=2.5704, 50=2.4418, 100=2.2491, 250=2.13344, 500=2.05634 (USD)", Reference Type=Series, RoHS="RoHS Compliant", Stock 1=2623, Supplier 1=Digi-Key, Supplier Device Package=SOT-23-6
U4 U7 U8 U9 U10 U11 U12: library part CMP-0809-00005-2, "Precision, Low Noise, Rail-to-Rail Output, Zero-Drift Operational Amplifier, 4 to 36 V, -40 to 125 degC, 5-pin SOT23 (DBV5), Green (RoHS & no Sb/Br)", Manufacturer="Texas Instruments", Rating=Catalog, Total Supply Voltage(Max)(+5V is 5, +/-5V is 10)=36, Total Supply Voltage(Min)(+5V is 5, +/-5V is 10)=4, CMRR(Min)(dB)=120, Code_JEDEC=MO-178, ComponentLink1Description="Manufacturer URL", ComponentLink1URL=http://www.ti.com/, ComponentLink2Description=Datasheet, ComponentLink2URL=http://www.ti.com/lit/ds/symlink/opa188.pdf, ComponentLink3Description="Package Specification", ComponentLink3URL=http://www.ti.com/litv/pdf/mpds018i, DatasheetVersion=SBOS642A, Eco-Plan="Green (RoHS & no Sb/Br)", GBW(Typ)(MHz)=2, Iq per channel(Max)(mA)=0.51, Mounting Technology="Surface Mount", Number of Channels=1, Offset Drift(Typ)(uV/C)=0.03, PackageDescription="5-Pin Plastic Small Outline, Body 1.6 x 2.9 mm, Pitch 0.95 mm", PackageReference=DBV0005A, PackageVersion="4073253-4/K, 03/2006", PartNumber=OPA188AIDBVR, Slew Rate(Typ)(V/us)=0.8, SubFamily="Zero Drift Precision Amplifier"
U5: library part Beaglebone_Black, "Beaglebone Black", Current Rating=-, Insulation Color=Black, Manufacturer="Molex, LLC", Manufacturer Part Number=0010897462, Material Flammability Rating="UL94 V-0", Supplier Part Number 1=WM50012-46-ND, Applications="Automotive, General Purpose, Lighting, Medical, Telecommunications", Category="Connectors, Interconnects", ComponentLink1Description=http://www.molex.com/pdm_docs/sd/010897041_sd.pdf, ComponentLink1URL=http://www.molex.com/pdm_docs/sd/010897041_sd.pdf, Connector Type="Header, Breakaway", Contact Finish - Mating=Gold, Contact Finish - Post=Tin, Contact Finish Thickness - Mating="15µin (0.38µm)", Contact Finish Thickness - Post="74.8µin (1.90µm)", Contact Length - Mating="0.240\" (6.10mm)", Contact Length - Post="0.107\" (2.71mm)", Contact Material="Copper Alloy", Contact Shape=Square, Contact Type="Male Pin", Fastening Type=-, Features=-, Ingress Protection=-, Insulation Height="0.090\" (2.29mm)", Insulation Material="Liquid Crystal Polymer (LCP), Glass Filled", Mated Stacking Heights=-, Mounting Type="Through Hole", Number of Positions=46, Number of Positions Loaded=All, Number of Rows=2, Operating Temperature=-, Overall Contact Length="0.437\" (11.10mm)", Packaging=Bulk, Part Status=Active, Pitch - Mating="0.100\" (2.54mm)", Pricing 1="1=7.65, 10=7.336, 25=6.698, 50=6.379, 100=6.0601, 250=5.4222, 500=5.10324 (USD)", RoHS="RoHS Compliant", Row Spacing - Mating="0.100\" (2.54mm)", Shrouding=Unshrouded, Stock 1=407, Style="Board to Board or Cable", Supplier 1=Digi-Key, Termination=Solder, Voltage Rating=-
P8 P10 P11: Supplier 1=Digi-Key

## Free pads (board coordinates)
  round 2.413 hole 2.413 unplated: ""(74.93,41.681)

## Via types
v1: diameter 1.27, hole 0.711, Top Layer to Bottom Layer, 6 vias

## Nets (pads, with @x,y where several pads share a name; then routed paths per layer and width w, separated by ;. In a path a pad name is that pad's centre, name@x,y a point inside that pad or via, vN(x,y) a via of type N, cw(c..) or ccw(c..) an arc to the next point about the centre after c; other vN are vias at no path point)
5V-RC: U5.8-21
+3.3: C2.1 C6.1 P2.21 P4.18 R1.2 U2.3 U4.5 U5.9-15 U6.2 U6.13
"+3.3V Mon": R1.1 R4.2 U1.5
+5: C1.1 C5.1 DS1.1 P2.19 P4.17 R7.2 R11.2 U1.2 U1.13 U2.7 U3.3 U3.4 U7.5 U8.5 U9.5 U10.5 U11.5 U12.5
"+5 BBB": P10.16 R8.2 U5.9-5 U5.9-6 | length 60.5
  Top Layer w0.254: P10.16 34.036,2.299 33.02,1.283 33.02,-8.763 U5.9-6 U5.9-5
"+5V BBB Mon": R8.1 R10.2 U1.4
"+5V Mon": R7.1 R9.2 U1.7
+12: P2.25 P4.21 P4.22 R2.2
"+12V Mon": R2.1 R5.2 U1.12
-5: P2.27 R12.1
"-5V Mon": U1.11 U4.1 U4.4
"ADC REF": C4.2 U2.6 U3.5 U3.6
"Arrestment Heater FET": R17.1 U5.8-6 U8.3 | length 21
  Top Layer w0.254: U5.8-6 -13.208,-8.763 -8.417,-8.763 -3.21,-13.97 U8.3@2.081,-13.97 ; U8.3 2.117,-14.05 R17.1
"Arrestment Heater FET_Buff": DS4.1 P4.16 U8.1 U8.4 | length 25.7
  Top Layer w0.254: v1@-0.127,-12.065 v1(0,-12.065) 3.082,-12.065 U8.4
  Bottom Layer w0.254: DS4.1 -17.145,-16.764 -16.51,-16.129 -3.683,-16.129 0,-12.446 v1(0,-12.065)
"Batt Mon": R3.1 R6.2 U1.6
"Board Heater FET 1": R23.1 U5.8-7 U9.3 | length 22.7
  Top Layer w0.254: U5.8-7@-11.239,-12.383 -1.143,-22.479 -1.143,-24.892 0.188,-26.223 U9.3 2.117,-26.314 R23.1
"Board Heater FET 2": R25.1 U5.8-8 U11.3 | length 31.2
  Top Layer w0.254: U5.8-8 -12.7,-13.843 -11.263,-13.843 -4.929,-20.177 -4.929,-27.583 -0.193,-32.319 U11.3 2.117,-32.41 R25.1
"Board Heater FET_Buff 1": DS7.1 U9.1 U9.4 | length 25.9
  Top Layer w0.254: v1(0,-24.257) 3.192,-24.257 U9.4
  Bottom Layer w0.254: DS7.1 -15.407,-29.845 -14.645,-29.083 -4.826,-29.083 v1(0,-24.257)
"Board Heater FET_Buff 2": DS8.1 U11.1 U11.4 | length 27.5
  Top Layer w0.254: v1@-0.127,-30.353 v1(0,-30.353) 3.192,-30.353 U11.4
  Bottom Layer w0.254: DS8.1 -17.615,-34.593 -14.137,-31.115 -11.263,-31.115 -10.501,-30.353 v1@-0.127,-30.353
"Conning Tower FET": R21.1 U5.8-4 U12.3 | length 20.7
  Top Layer w0.254: U5.8-4 -12.771,-5.786 -3.881,-5.786 0.066,-1.839 U12.3 2.081,-3.901 R21.1
"Conning Tower FET_Buff": DS6.1 P4.14 U12.1 U12.4 | length 18.5
  Bottom Layer w0.254: DS6.1 -2.413,-2.54 v1(0,-0.127)
CS_Power_Supplies: U6.7
DC_MC_CS0: U6.6
Encoder_CS0: U6.10
FB_CS0: U6.4
"Gearbox Heater FET": R19.1 U5.8-3 U10.3 | length 16.2
  Top Layer w0.254: U5.8-3 -5.877,-7.239 -5.115,-8.001 U10.3@2.081,-8.001 ; U10.3 2.117,-7.971 R19.1
"Gearbox Heater FET_Buff": DS5.1 P4.15 U10.1 U10.4 | length 25.6
  Top Layer w0.254: v1@0.127,-5.969 3.065,-5.969 U10.4
  Bottom Layer w0.254: DS5.1 -15.407,-10.033 -14.645,-10.795 -4.826,-10.795 v1(0,-5.969)
GND: C1.2 C2.2 C3.2 C4.1 C5.2 C6.2 P2.14 P2.20 P2.32 P4.19 P4.20 P4.23 P4.24 P8.7 P8.9 P8.11 P8.13 P8.15 P8.16 P11.6 P11.8 P11.10 P11.12 P11.14 P11.16 R4.1 R5.1 R6.1 R9.1 R10.1 R14.2 R15.2 R16.2 R17.2 R18.2 R19.2 R20.2 R21.2 R22.2 R23.2 R24.2 R25.2 R26.2 U1.3 U1.14 U2.2 U2.4 U2.8 U3.2 U4.2 U5.8-1 U5.8-2 U5.9-1 U5.9-2 U5.9-43 U5.9-44 U5.9-45 U5.9-46 U6.3 U6.14 U7.2 U8.2 U9.2 U10.2 U11.2 U12.2
GPIO2_6: U5.8-45
"GPIO 1-28": U5.9-12
GPS_CS0: U6.9
Heartbeat: U5.9-42
I2C2_SCL: U5.9-19
I2C2_SDA: U5.9-20
IMU_CS0: U6.12
"Meter Heater FET": R15.1 U5.8-5 U7.3 | length 20.2
  Top Layer w0.254: U5.8-5 -1.27,-20.193 U7.3@2.081,-20.193 ; U7.3 2.117,-20.163 R15.1
"Meter Heater FET_Buff": DS3.1 P4.13 U7.1 U7.4 | length 25.4
  Top Layer w0.254: v1(0,-18.288) 0.061,-18.227 U7.1 ; U7.1@2.081,-18.288 3.175,-18.288 U7.4@4.768,-19.881
  Bottom Layer w0.254: DS3.1 -15.026,-23.114 -14.645,-23.495 -5.207,-23.495 v1(0,-18.288)
"MUX A2": U5.8-41 U6.15
"MUX B2": U5.8-44
"MUX D2": U1.15 U5.8-16
MUX_A0: U5.8-39 U6.1
MUX_A1: U5.8-40 U6.16
MUX_B0: U5.8-42
MUX_B1: U5.8-43
MUX_D0: U1.1 U5.8-14
MUX_D1: U1.16 U5.8-15
NetC3_1: C3.1 U3.1
NetDS1_2: DS1.2 R14.1
NetDS2_2: DS2.2 R13.1
NetDS3_2: DS3.2 R16.1 | length 1.8
  Bottom Layer w0.254: R16.1 -19.215,-24.888 DS3.2
NetDS4_2: DS4.2 R18.1 | length 1.8
  Bottom Layer w0.254: R18.1 -19.215,-18.538 DS4.2
NetDS5_2: DS5.2 R20.1 | length 1.8
  Bottom Layer w0.254: R20.1 -19.215,-11.807 DS5.2
NetDS6_2: DS6.2 R22.1 | length 1.8
  Bottom Layer w0.254: R22.1 -19.088,-4.314 DS6.2
NetDS7_2: DS7.2 R24.1 | length 1.8
  Bottom Layer w0.254: R24.1 -19.215,-31.619 DS7.2
NetDS8_2: DS8.2 R26.1 | length 1.9
  Bottom Layer w0.254: R26.1 -19.215,-38.604 DS8.2
NetP2_3: P2.3
NetP2_6: P2.6 U5.8-37 | length 116.1
  Mid-Layer 1 w0.254: U5.8-37 -11.684,-49.316 -9.525,-47.157 -9.525,60.602 -11.684,62.761 P2.6
NetP2_7: P2.7 U5.8-38 | length 114.5
  Mid-Layer 1 w0.254: U5.8-38 -12.7,-48.895 -12.7,-47.458 -11.597,-46.355 -11.263,-46.355 -9.906,-44.998 -9.906,58.443 -11.684,60.221 P2.7
NetP2_9: P2.9 U5.8-22 | length 88.8
  Mid-Layer 2 w0.254: U5.8-22 -15.24,-30.099 -15.24,1.283 -12.688,3.835 -12.688,55.257 P2.9
NetP2_11: P2.11 U5.8-19 | length 79.6
  Mid-Layer 2 w0.254: U5.8-19 -11.684,-26.456 -10.668,-25.44 -10.668,49.045 -11.684,50.061 P2.11
NetP2_13: P2.13 U5.8-13 | length 68.7
  Mid-Layer 1 w0.254: U5.8-13 -11.684,-18.836 -10.668,-17.82 -10.668,1.283 -12.688,3.303 -12.688,38.897 -11.568,40.017 -11.268,40.017 -10.68,40.605 -10.68,43.977 -11.684,44.981 P2.13
NetP2_15: P2.15 U5.8-26 | length 78.7
  Mid-Layer 1 w0.254: U5.8-26 -15.24,-35.179 -15.24,1.283 -13.069,3.454 -13.069,39.636 P2.15
NetP2_16: P2.16 U5.8-25 | length 74.8
  Mid-Layer 1 w0.254: U5.8-25 -11.684,-34.076 -10.287,-32.679 -10.287,1.44 -11.684,2.837 P2.16
NetP3_1: P3.1
NetP3_2: P3.2
NetP4_1: P4.1
NetP4_2: P4.2
NetP4_3: P4.3
NetP4_4: P4.4
NetP4_5: P4.5
NetP4_6: P4.6
NetP5_1: P5.1
NetP5_2: P5.2
NetP6_1: P6.1
NetP6_2: P6.2
NetP7_1: P7.1
NetP7_2: P7.2
NetP10_12: P10.12 U5.9-9 | length 70.4
  Top Layer w0.254: P10.12 32.639,51.054 32.639,-12.359 33.958,-13.678 35.395,-13.678 U5.9-9
NetR11_1: R11.1 R12.2 U4.3
NetU1_8: U1.8 U2.5
NetU5_8-9: U5.8-9
NetU5_8-10: U5.8-10
NetU5_8-11: U5.8-11
NetU5_8-12: U5.8-12
NetU5_8-17: U5.8-17
NetU5_8-18: U5.8-18
NetU5_8-23: U5.8-23
NetU5_8-27: U5.8-27
NetU5_8-28: U5.8-28
NetU5_8-30: U5.8-30
NetU5_8-34: U5.8-34
NetU5_8-35: U5.8-35
NetU5_9-11: U5.9-11
NetU5_9-13: U5.9-13
NetU5_9-16: U5.9-16
NetU5_9-23: U5.9-23
NetU5_9-25: U5.9-25
Power_IN: P11.2 R3.2 R13.2
PWM1A: P10.8 U5.9-14 | length 78.9
  Top Layer w0.254: U5.9-14 32.258,-18.161 32.258,55.753 P10.8
Relay: U5.9-27
Relay_Out: DS2.1 P11.4
Serial1_RX: U5.9-26
Serial1_TX: U5.9-24
SPI0_CS0: U5.9-17 U6.8
SPI0_MISO: P4.7 P10.2 U5.9-21 | length 155.5
  Top Layer w0.254: 16.084,111.597 17.47,110.211 17.47,108.579 34.036,92.013 P10.2 31.496,62.611 31.496,-28.996 33.615,-31.115 35.56,-31.115 U5.9-21
SPI0_MOSI: U5.9-18
SPI0_SCLK: P4.10 P10.4 U5.9-22 | length 94.5
  Top Layer w0.254: U5.9-22 31.877,-27.94 31.877,60.452 P10.4
SPI1_CS0: U5.9-28
SPI1_MISO: U5.9-29
SPI1_MOSI: U5.9-30
SPI1_SCLK: U5.9-31
Sys_Pwr_Enable: P8.10
Thermistor_CS0: P4.9 U6.5
"Thermistor_MUX A2": P4.12 U5.8-33
Thermistor_MUX_A0: P4.8 U5.8-31
Thermistor_MUX_A1: P4.11 U5.8-32
ZH: P2.23
pads on no net: P2.1 P2.2 P2.4 P2.5 P2.8 P2.10 P2.12 P2.17 P2.18 P2.22 P2.24 P2.26 P2.28 P2.29 P2.30 P2.31 P8.1 P8.2 P8.3 P8.4 P8.5 P8.6 P8.8 P8.12 P8.14 P10.1 P10.3 P10.5 P10.6 P10.7 P10.9 P10.10 P10.11 P10.13 P10.14 P10.15 P11.1 P11.3 P11.5 P11.7 P11.9 P11.11 P11.13 P11.15 U1.9 U1.10 U2.1 U2.9 U2.10 U5. U5.8-20 U5.8-24 U5.8-29 U5.8-36 U5.8-46 U5.9-3 U5.9-4 U5.9-7 U5.9-8 U5.9-10 U5.9-32 U5.9-33 U5.9-34 U5.9-35 U5.9-36 U5.9-37 U5.9-38 U5.9-39 U5.9-40 U5.9-41 U6.11
copper on no net: | length 0.1
  Top Layer w0.254: 29.527,22.147 29.595,22.079

## Silkscreen, mask and mechanical layers (free items; w line width, h text height)
Top Overlay:
  circle w0.1: c20.898,31.973 r4.663
  circle w0.254: c20.898,31.973 r5
  lines w0.127: 19.374,34.335 20.136,33.573 20.898,34.081 19.882,32.811 21.406,33.573 20.39,32.303 21.914,33.065 20.898,31.795 22.422,32.557 21.406,31.287 22.93,32.049 22.422,31.287 23.184,30.525
  lines w0.254: 18.866,34.462 19.882,34.462 ; 19.374,34.335 19.374,30.525 23.184,30.525 ; 23.311,30.017 23.311,31.033
  text "ZLS" at 19.882,28.925 h1.2
  text "LM-003" at 16.694,24.64 h0.75
  text "REV D" at 16.694,22.735 h0.75
  text "ZLS Corp" at 16.694,20.83 h0.75
Bottom Overlay:
  text "Levels Board" at 161.29,21.615 h0.51

## Dimensions
-20.066,88.671 to 44.704,33.577 on Mechanical 5